# Altium PCB 2019.06.16.master.PcbDoc (part 4 of 5)
Units mm, origin at the board's own origin, x right, y up, seen from the top; angles counter-clockwise.
Board outline 160 x 120 mm, 6 copper layers (Top Signal, Top GND, Inner PWR, Inner Signal, Bottom GND, Bottom Signal), stack 1.571 mm thick; 340 components, 345 nets, 1524 pads, 692 vias.
Unrouted connection lines stored in the file: 216.
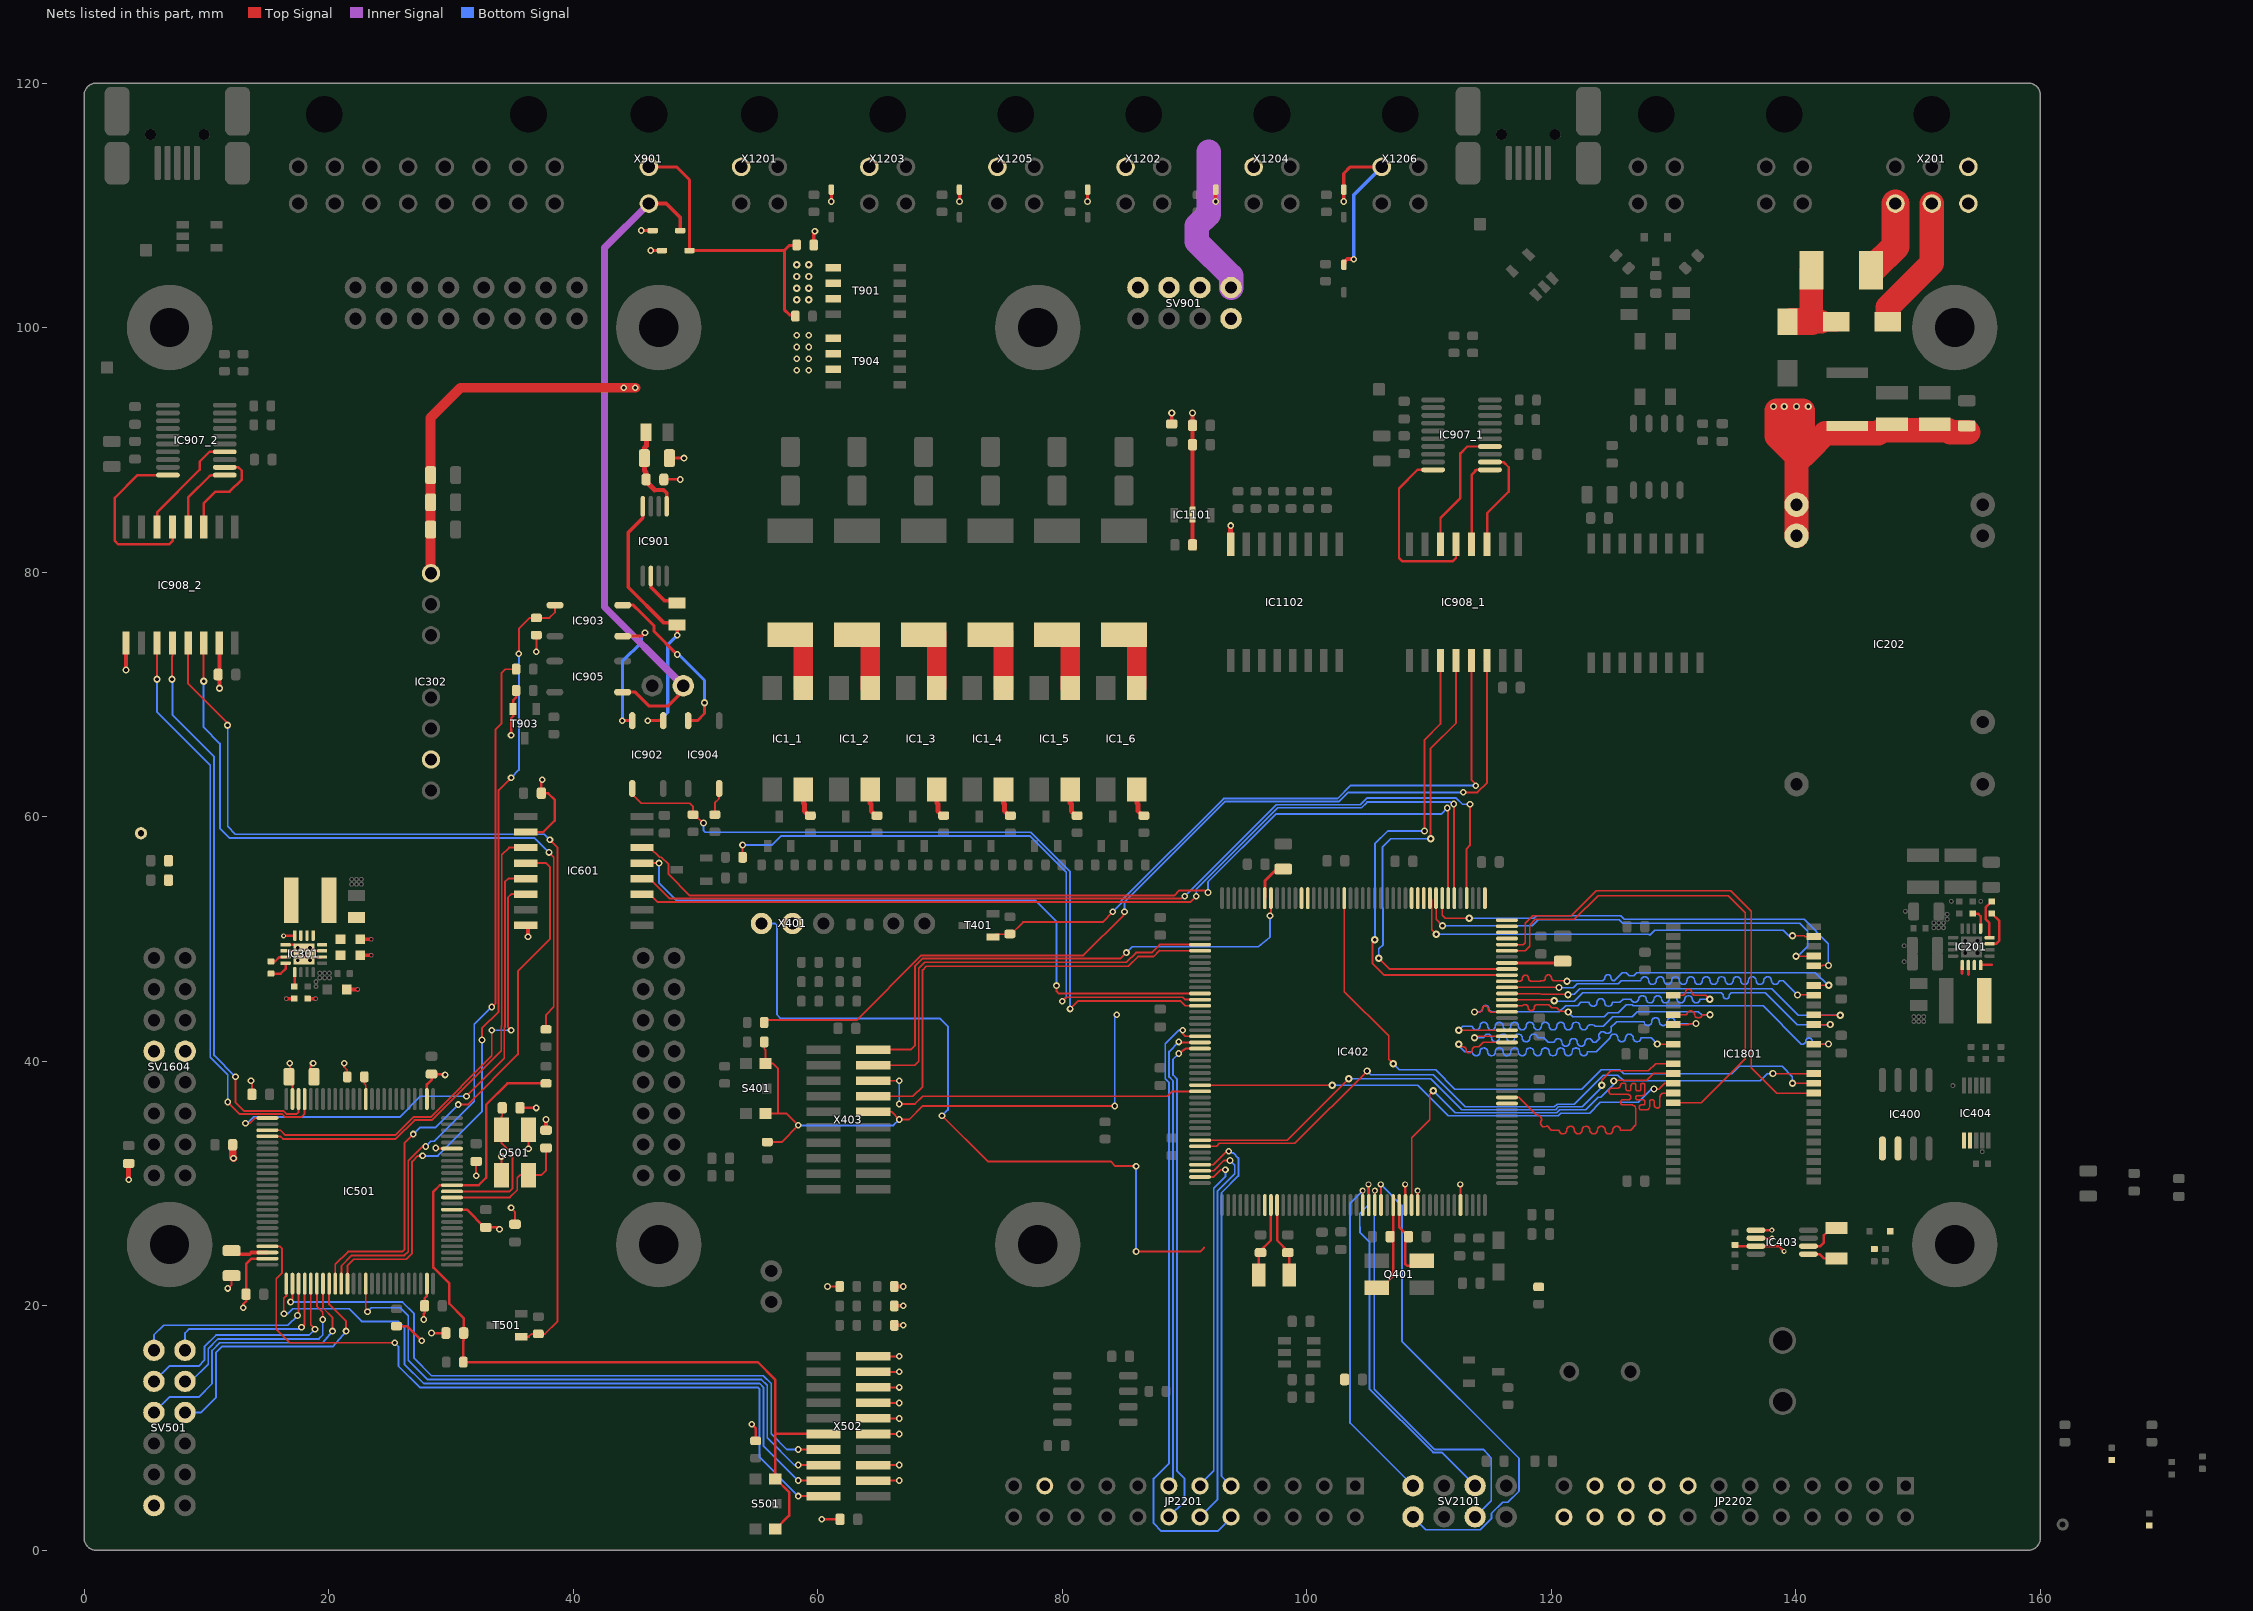
[diagram p8: the nets of this part, all layers, seen from the top]

## Via types
v1: diameter 0.6, hole 0.3, Top Signal to Bottom Signal, 370 vias
v2: diameter 0.55, hole 0.3, Top Signal to Bottom Signal, tented both sides, 291 vias
v3: diameter 0.4, hole 0.2, Top Signal to Bottom Signal, tented both sides, 17 vias
v4: diameter 0.5, hole 0.3, Top Signal to Bottom Signal, 12 vias
v5: diameter 0.7, hole 0.4, Top Signal to Bottom Signal, 2 vias

## Nets (pads, with @x,y where several pads share a name; then routed paths per layer and width w, separated by ;. In a path a pad name is that pad's centre, name@x,y a point inside that pad or via, vN(x,y) a via of type N, cw(c..) or ccw(c..) an arc to the next point about the centre after c; other vN are vias at no path point) (continued)
FMC_MCU_0_RAM_D4: IC402.68 IC1801.13 | length 30
  Top Signal w0.12: v1(112.432,41.396) 112.654,41.173 112.781,41.173 cw(c112.781,40.923) 113.031,40.923 ccw(c113.281,40.923) 113.531,40.923 cw(c113.781,40.923) 113.781,41.173 114.073,41.173 114.433,41.534 IC402.68@116.372,41.534 ; v1(128.676,41.402) 128.683,41.396 IC1801.13@129.966,41.396
  Bottom Signal w0.12: v1@112.432,41.25 112.915,40.767 113.543,40.767 ccw(c113.857,40.767) 114.171,40.767 cw(c114.485,40.767) 114.799,40.767 ccw(c115.113,40.767) 115.427,40.767 cw(c115.741,40.767) 116.055,40.767 ccw(c116.369,40.767) 116.683,40.767 cw(c116.997,40.767) 117.311,40.767 ccw(c117.625,40.767) 117.939,40.767 cw(c118.253,40.767) 118.567,40.767 ccw(c118.881,40.767) 119.195,40.767 cw(c119.509,40.767) 119.823,40.767 ccw(c120.137,40.767) 120.451,40.767 cw(c120.765,40.767) 121.079,40.767 ccw(c121.393,40.767) 121.707,40.767 cw(c122.021,40.767) 122.335,40.767 ccw(c122.649,40.767) 122.963,40.767 123.591,40.767 123.673,40.767 124.816,41.91 cw(c125.13,41.91) 125.444,41.91 ccw(c125.758,41.91) 126.072,41.91 cw(c126.386,41.91) 126.7,41.91 ccw(c127.014,41.91) 127.328,41.91 127.956,41.91 128.168,41.91 v1(128.676,41.402)
FMC_MCU_0_RAM_D5: IC402.69 IC1801.11 | length 30
  Top Signal w0.12: v1(113.716,41.91) 113.794,41.988 113.987,41.988 114.032,42.034 IC402.69@116.372,42.034 ; IC1801.11@129.966,42.996 131.21,42.996 131.293,43.078 v1(131.836,43.078)
  Bottom Signal w0.12: v1(113.716,41.91) 114.485,41.91 cw(c114.799,41.91) 115.113,41.91 ccw(c115.427,41.91) 115.741,41.91 cw(c116.055,41.91) 116.369,41.91 ccw(c116.683,41.91) 116.997,41.91 cw(c117.311,41.91) 117.625,41.91 ccw(c117.939,41.91) 118.253,41.91 cw(c118.567,41.91) 118.881,41.91 119.202,41.91 119.371,41.91 119.746,41.536 120.244,41.536 cw(c120.558,41.529) 120.872,41.536 ccw(c121.186,41.536) 121.5,41.536 cw(c121.814,41.536) 122.128,41.536 ccw(c122.442,41.536) 122.756,41.536 cw(c123.07,41.536) 123.384,41.536 123.636,41.536 123.677,41.576 123.977,41.877 cw(c124.199,42.099) 124.421,42.321 ccw(c124.586,42.6) 124.866,42.765 125.302,43.201 125.332,43.231 126.957,43.231 127.585,43.231 ccw(c127.899,43.231) 128.213,43.231 cw(c128.527,43.231) 128.841,43.231 ccw(c129.155,43.231) 129.469,43.231 cw(c129.783,43.231) 130.097,43.231 130.291,43.231 130.443,43.078 v1(131.836,43.078)
FMC_MCU_0_RAM_D6: IC402.70 IC1801.10 | length 34.3
  Top Signal w0.12: v1(112.432,42.53) IC402.70@116.372,42.53 ; IC1801.10@129.966,43.796 130.454,43.796 131.092,43.796 cw(c131.406,43.796) 131.72,43.796 ccw(c132.034,43.862) 132.348,43.796 v1(132.976,43.796)
  Bottom Signal w0.12: v1(112.432,42.53) 112.777,42.875 112.915,42.875 113.543,42.875 ccw(c113.857,42.875) 114.171,42.875 cw(c114.485,42.875) 114.799,42.875 ccw(c115.113,42.875) 115.427,42.875 cw(c115.741,42.875) 116.055,42.875 ccw(c116.369,42.875) 116.683,42.875 cw(c116.997,42.875) 117.311,42.875 ccw(c117.625,42.875) 117.939,42.875 cw(c118.253,42.875) 118.567,42.875 ccw(c118.881,42.875) 119.195,42.875 cw(c119.509,42.875) 119.823,42.875 ccw(c120.137,42.875) 120.451,42.875 cw(c120.765,42.875) 121.079,42.875 ccw(c121.393,42.875) 121.707,42.875 cw(c122.021,42.875) 122.335,42.875 ccw(c122.649,42.875) 122.963,42.875 cw(c123.277,42.527) 123.591,42.875 124.13,42.875 124.231,42.875 125.008,43.653 126.621,43.653 127.023,44.056 132.034,44.056 132.294,43.796 v1(132.976,43.796)
FMC_MCU_0_RAM_D7: IC402.73 IC1801.8 | length 31.1
  Top Signal w0.12: v1(113.716,44.018) 114.097,44.018 ccw(c114.097,44.268) 114.347,44.268 cw(c114.597,44.268) 114.847,44.268 ccw(c115.097,44.268) 115.097,44.018 116.357,44.018 IC402.73@116.372,44.034 ; IC1801.8@129.966,45.396 130.728,45.396 ccw(c130.728,45.646) 130.978,45.646 cw(c131.228,45.646) 131.478,45.646 ccw(c131.728,45.646) 131.728,45.396 132.633,45.396 v1(132.969,45.06)
  Bottom Signal w0.12: v1(113.716,44.018) 113.753,44.056 114.134,44.056 ccw(c114.134,44.306) 114.384,44.306 cw(c114.634,44.306) 114.884,44.306 ccw(c115.134,44.306) 115.134,44.056 120.667,44.056 121.165,44.553 122.169,44.553 122.422,44.806 122.479,44.806 123.107,44.806 ccw(c123.421,44.806) 123.735,44.806 cw(c124.049,44.806) 124.363,44.806 ccw(c124.677,44.806) 124.991,44.806 125.603,44.806 125.882,45.085 126.51,45.085 ccw(c126.824,45.136) 127.138,45.085 cw(c127.452,45.037) 127.766,45.085 ccw(c128.08,45.085) 128.394,45.085 cw(c128.708,45.037) 129.022,45.085 ccw(c129.336,45.085) 129.65,45.085 cw(c129.964,45.037) 130.278,45.085 ccw(c130.592,45.085) 130.906,45.085 cw(c131.22,45.037) 131.534,45.085 ccw(c131.848,45.085) 132.162,45.085 132.461,45.085 132.969,45.085 v1(132.969,45.06)
FMC_MCU_0_RAM_D8: IC402.74 IC1801.42 | length 30.8
  Top Signal w0.12: IC402.74@116.372,44.534 117.628,44.534 117.729,44.634 117.856,44.634 cw(c117.856,44.384) 118.106,44.384 ccw(c118.356,44.384) 118.606,44.384 cw(c118.856,44.384) 118.856,44.634 119.785,44.634 120.055,44.365 120.451,44.365 120.719,44.097 121.308,44.097 v1(121.387,44.018) ; IC1801.42@141.466,41.396 142.168,41.396 142.174,41.402 v1(142.672,41.402)
  Bottom Signal w0.12: v1(121.387,44.018) 121.768,43.637 124.333,43.637 124.663,43.967 125.493,43.967 126.15,44.625 126.601,44.625 126.701,44.525 137.327,44.525 140.449,41.402 140.576,41.402 ccw(c140.576,41.652) 140.826,41.652 cw(c141.076,41.652) 141.326,41.652 ccw(c141.576,41.652) 141.576,41.402 v1(142.672,41.402)
FMC_MCU_0_RAM_D9: IC402.75 IC1801.44 | length 29.9
  Top Signal w0.12: IC402.75@116.372,45.034 120.142,45.034 v1(120.244,44.933) ; IC1801.44@141.343,42.996 IC1801.44@141.466,42.996 v1(142.803,42.996)
  Bottom Signal w0.12: v1(120.244,44.933) 120.271,44.906 121.893,44.906 122.582,45.595 133.807,45.595 cw(c133.807,45.345) 134.057,45.345 ccw(c134.307,45.345) 134.557,45.345 cw(c134.807,45.345) 134.807,45.595 137.514,45.595 140.113,42.996 v1(142.803,42.996)
FMC_MCU_0_RAM_D10: IC402.76 IC1801.45 | length 30.5
  Top Signal w0.12: IC402.76@116.372,45.534 119.102,45.534 119.168,45.468 121.258,45.468 v1@121.296,45.506 ; IC1801.45@141.466,43.796 141.498,43.764 v1(143.642,43.764)
  Bottom Signal w0.12: v1(121.361,45.441) 121.412,45.491 121.894,45.491 122.328,45.925 138.022,45.925 140.183,43.764 v1(143.642,43.764)
FMC_MCU_0_RAM_D11: IC402.77 IC1801.47 | length 32.3
  Top Signal w0.12: IC402.77@116.372,46.034 120.616,46.034 v1(120.625,46.025) ; v1(140.132,45.415) IC1801.47@141.466,45.415
  Bottom Signal w0.12: v1(120.625,46.025) 120.652,45.998 121.791,45.998 122.123,46.33 125.476,46.33 125.731,46.585 127.329,46.585 cw(c127.643,46.585) 127.957,46.585 ccw(c128.271,46.585) 128.585,46.585 cw(c128.899,46.585) 129.213,46.585 ccw(c129.527,46.585) 129.841,46.585 cw(c130.155,46.585) 130.469,46.585 ccw(c130.783,46.585) 131.097,46.585 cw(c131.411,46.585) 131.725,46.585 ccw(c132.039,46.585) 132.353,46.585 cw(c132.667,46.585) 132.981,46.585 ccw(c133.295,46.585) 133.609,46.585 cw(c133.923,46.585) 134.237,46.585 ccw(c134.551,46.585) 134.865,46.585 cw(c135.179,46.585) 135.493,46.585 ccw(c135.807,46.585) 136.121,46.585 cw(c136.435,46.585) 136.749,46.585 ccw(c137.063,46.585) 137.377,46.585 cw(c137.691,46.585) 138.005,46.585 ccw(c138.319,46.585) 138.633,46.585 138.962,46.585 v1(140.132,45.415)
FMC_MCU_0_RAM_D12: IC402.78 IC1801.48 | length 30.2
  Top Signal w0.12: IC402.78@116.372,46.534 117.388,46.534 ccw(c117.388,46.784) 117.638,46.784 cw(c117.888,46.784) 118.138,46.784 ccw(c118.388,46.784) 118.388,46.534 119.111,46.534 119.137,46.56 119.264,46.56 ccw(c119.264,46.81) 119.514,46.81 cw(c119.764,46.81) 120.014,46.81 ccw(c120.264,46.81) 120.264,46.56 121.258,46.56 v1(121.285,46.533) ; IC1801.48@141.466,46.196 142.69,46.196 v1(142.697,46.203)
  Bottom Signal w0.12: v1(121.285,46.533) 121.337,46.585 124.131,46.585 ccw(c124.131,46.835) 124.381,46.835 cw(c124.631,46.835) 124.881,46.835 ccw(c125.131,46.835) 125.131,46.585 125.79,47.244 126.111,47.244 126.358,46.997 126.741,46.997 126.988,47.244 141.592,47.244 142.634,46.203 v1(142.697,46.203)
FMC_MCU_0_RAM_D13: IC402.96 IC1801.50 | length 37.1
  Top Signal w0.12: IC402.96@111.073,53.334 111.073,51.943 111.337,51.679 v1(113.282,51.679) ; IC1801.50@141.466,47.796 142.168,47.796 142.201,47.828 v1(142.672,47.828)
  Bottom Signal w0.12: v1(113.282,51.679) 118.573,51.679 118.793,51.899 125.682,51.899 125.984,51.597 140.681,51.597 142.665,49.613 142.665,47.835 v1(142.672,47.828)
FMC_MCU_0_RAM_D14: IC402.97 IC1801.51 | length 36.9
  Top Signal w0.12: IC402.97@110.572,53.334 110.572,51.597 111.092,51.078 v1(111.103,51.078) ; v1(140.017,48.596) IC1801.51@141.466,48.596
  Bottom Signal w0.12: v1(111.103,51.078) 118.439,51.078 118.93,51.569 125.545,51.569 125.847,51.267 140.325,51.267 140.97,50.622 140.97,49.403 140.163,48.596 v1(140.017,48.596)
FMC_MCU_0_RAM_D15: IC402.98 IC1801.53 | length 34.5
  Top Signal w0.12: IC402.98@110.073,53.334 110.207,53.199 110.207,50.75 v1(110.589,50.368) ; v1(139.725,50.267) 140.694,50.267 140.765,50.196 IC1801.53@141.466,50.196
  Bottom Signal w0.12: v1(110.589,50.368) 127.979,50.368 128.038,50.309 128.455,50.725 138.962,50.725 139.421,50.267 v1(139.725,50.267)
FMC_MCU_0_RAM_NBL0: IC402.169 IC1801.15 | length 44
  Top Signal w0.12: IC402.169@91.273,33.534 98.389,33.534 v1(103.429,38.573) ; v1(124.13,38.036) 124.13,38.459 124.872,39.201 127.945,39.201 128.539,39.796 IC1801.15@129.966,39.796
  Bottom Signal w0.12: v1(103.429,38.573) 110.132,38.573 112.677,36.029 120.357,36.029 120.586,36.257 122.525,36.257 124.304,38.036 v1(124.13,38.036)
FMC_MCU_0_RAM_NBL1: IC402.170 IC1801.39 | length 55.5
  Top Signal w0.12: IC402.170@91.273,33.034 92.622,33.034 92.862,33.274 99.023,33.274 v1@104.902,39.153 ; v1(138.125,38.989) 141.46,38.989 IC1801.39@141.466,38.996
  Bottom Signal w0.12: v1(104.933,39.201) 105.247,38.887 110.338,38.887 112.957,36.269 120.258,36.269 120.486,36.497 121.874,36.497 124.243,38.866 125.448,38.866 125.935,38.379 137.077,38.379 137.693,38.996 137.7,38.989 v1(138.125,38.989)
FMC_MCU_0_RAM_SDCKE1: IC402.84 IC1801.37 | length 42.2
  Top Signal w0.12: IC402.84@116.372,49.534 117.704,49.534 117.857,49.686 117.857,51.267 118.486,51.896 121.645,51.896 123.673,53.924 134.696,53.924 136.373,52.248 136.373,39.472 138.449,37.396 IC1801.37@141.466,37.396
FMC_MCU_0_RAM_SDCLK: IC402.112 IC1801.38 | length 52.4
  Top Signal w0.12: IC402.112@103.072,53.334 103.072,45.693 106.695,42.071 106.695,40.173 v1(107.072,39.796) ; v1(139.725,38.202) 139.731,38.196 IC1801.38@141.466,38.196
  Bottom Signal w0.12: v1(107.072,39.796) 107.577,39.292 110.544,39.292 112.117,37.719 122.487,37.719 124.087,39.319 125.603,39.319 125.933,38.989 134.772,38.989 135.357,39.573 138.887,39.573 139.725,38.735 v1(139.725,38.202)
FMC_MCU_0_RAM_SDNCAS: IC402.160 IC1801.17 | length 40.8
  Top Signal w0.12: IC402.160@91.273,38.034 102.072,38.034 v1(102.072,38.036) ; v1(128.394,37.719) 128.788,37.719 129.265,38.196 IC1801.17@129.966,38.196
  Bottom Signal w0.12: v1@102.072,38.035 109.066,38.035 111.556,35.545 120.552,35.545 120.766,35.759 123.135,35.759 124.021,36.645 127.12,36.645 128.194,37.719 v1(128.394,37.719)
FMC_MCU_0_RAM_SDNE1: IC402.83 IC1801.19 | length 42.3
  Top Signal w0.12: IC402.83@116.372,49.034 117.857,49.034 118.218,49.396 118.218,51.127 118.688,51.597 121.895,51.597 123.832,53.534 134.477,53.534 135.865,52.146 135.865,40.183 132.277,36.596 IC1801.19@129.966,36.596
FMC_MCU_0_RAM_SDNRAS: IC402.59 IC1801.18 | length 34.9
  Top Signal w0.12: IC402.59@116.372,37.034 117.34,37.034 118.763,35.61 cw(c118.789,35.192) 119.207,35.166 ccw(c119.429,34.944) 119.652,34.722 120.007,34.366 120.635,34.366 ccw(c120.949,34.366) 121.263,34.366 cw(c121.577,34.366) 121.891,34.366 ccw(c122.205,34.366) 122.519,34.366 cw(c122.833,34.366) 123.147,34.366 ccw(c123.461,34.366) 123.775,34.366 cw(c124.089,34.366) 124.403,34.366 ccw(c124.717,34.366) 125.031,34.366 cw(c125.345,34.366) 125.659,34.366 126.287,34.366 126.492,34.366 126.92,34.794 126.92,35.843 126.92,36.053 ccw(c126.549,36.053) 126.549,36.424 125.848,36.424 cw(c125.848,36.612) 125.659,36.612 125.659,36.662 cw(c125.832,36.662) 125.832,36.834 126.287,36.834 ccw(c126.287,37.038) 126.492,37.038 126.492,37.056 ccw(c126.27,37.056) 126.27,37.278 124.943,37.278 cw(c124.943,37.503) 124.717,37.503 124.717,37.57 cw(c124.943,37.57) 124.943,37.795 125.421,37.795 ccw(c125.421,38.034) 125.659,38.034 cw(c125.827,38.034) 125.827,38.202 125.933,38.202 cw(c125.933,38.034) 126.101,38.034 126.101,37.752 ccw(c126.287,37.752) 126.287,37.566 126.364,37.566 ccw(c126.364,37.719) 126.517,37.719 126.517,37.998 cw(c126.695,37.998) 126.695,38.176 126.777,38.176 cw(c126.777,38.034) 126.92,38.034 126.92,37.709 ccw(c127.063,37.709) 127.063,37.566 127.202,37.566 ccw(c127.202,37.668) 127.305,37.668 127.305,38.036 cw(c127.445,38.036) 127.445,38.176 127.518,38.176 cw(c127.518,38.034) 127.66,38.034 127.66,37.389 cw(c127.457,37.389) 127.457,37.186 127.049,37.186 ccw(c127.049,37.056) 126.92,37.056 126.92,36.978 ccw(c127.063,36.978) 127.063,36.834 127.506,36.834 cw(c127.506,36.679) 127.66,36.679 127.66,36.536 cw(c127.548,36.536) 127.548,36.424 127.356,36.424 ccw(c127.356,36.271) 127.203,36.271 127.203,36.151 ccw(c127.337,36.151) 127.337,36.017 127.762,36.017 ccw(c127.762,36.297) 128.041,36.297 128.041,36.679 cw(c128.196,36.679) 128.196,36.834 128.266,36.834 cw(c128.266,36.678) 128.422,36.678 128.422,36.422 ccw(c128.676,36.422) 128.676,36.168 ccw(c128.676,36.371) 128.88,36.371 128.88,37.043 cw(c129.232,37.043) 129.232,37.396 IC1801.18@129.966,37.396
FMC_MCU_0_RAM_SDNWE: IC402.32 IC1801.16 | length 31.9
  Top Signal w0.12: IC402.32@108.573,28.234 108.573,33.727 110.073,35.228 110.073,37.293 v1(110.349,37.57) ; v1(125.103,38.379) 125.165,38.442 127.811,38.442 128.365,38.996 IC1801.16@129.966,38.996
  Bottom Signal w0.12: v1@110.349,37.567 112.127,35.789 120.456,35.789 120.685,36.017 122.81,36.017 123.838,37.045 124.045,37.045 125.103,38.102 v1(125.103,38.379)
FQ_3.3_0: IC201.3
FQ_3.3_1: IC301.3
FTDI_MCU_0_DTR: IC908_1.13 R402.1 T401.1 | length 55.2
  Top Signal w0.152: T401.1@74.334,50.153 74.558,50.376 75.698,50.376 R402.1@75.724,50.402 75.824,50.402 76.798,51.376 83.3,51.376 v2(84.138,52.214) ; IC908_1.13@113.7,72.769 113.476,72.545 113.476,62.987 113.824,62.64 v2(113.824,62.533)
  Bottom Signal w0.152: v2(84.138,52.214) 84.838,52.914 84.838,53.116 93.204,61.482 102.514,61.482 103.565,62.533 v2(113.824,62.533)
FTDI_MCU_0_RTS: IC908_1.14 R403.2 | length 77.8
  Top Signal w0.152: R403.2@55.777,43.165 55.777,43.247 55.894,43.364 63.183,43.364 68.475,48.656 81.732,48.656 85.014,51.938 85.014,52.138 v2(85.09,52.214) ; v2(112.793,61.985) 113.953,61.985 114.746,62.779 114.746,72.545 IC908_1.14@114.523,72.769
  Bottom Signal w0.152: v2(85.09,52.214) 85.09,53.012 93.308,61.23 102.619,61.23 103.375,61.985 v2(112.793,61.985)
FTDI_MCU_0_RX: IC402.80 IC908_1.12 | length 39.8
  Top Signal w0.152: v1(105.893,48.412) 106.771,47.534 IC402.80@116.372,47.534 ; v1(110.132,58.191) 110.132,65.581 112.206,67.655 IC908_1.12@112.206,72.769
  Bottom Signal w0.152: v1(105.893,48.412) 105.893,49.188 106.239,49.534 106.239,52.503 106.189,52.553 106.189,57.511 106.869,58.191 v1(110.132,58.191)
FTDI_MCU_0_TX: IC402.79 IC908_1.11 | length 40.2
  Top Signal w0.152: v1(105.573,49.94) 105.371,49.739 105.371,48.006 106.343,47.034 IC402.79@116.372,47.034 ; v1(109.624,58.826) 109.624,66.266 110.936,67.579 IC908_1.11@110.936,72.769
  Bottom Signal w0.152: v1(105.573,49.94) 105.573,57.769 106.63,58.826 v1@109.576,58.826
FTDI_MCU_1_DTR: IC908_2.13 R504.1 T501.1 | length 86.3
  Top Signal w0.152: IC908_2.13@8.509,74.193 8.509,70.866 11.735,67.64 v1(11.735,67.488) ; T501.1@35.758,17.45 36.384,17.45 36.384,17.488 36.596,17.7 R504.1@37.148,17.7 37.699,17.7 38.735,18.736 38.735,57.472 v2(38.1,58.107)
  Bottom Signal w0.152: v1@11.747,67.488 11.747,59.199 12.383,58.564 37.643,58.564 v2(38.1,58.107)
FTDI_MCU_1_RTS: IC908_2.14 R501.2 | length 58.2
  Top Signal w0.152: v1(9.779,71.069) IC908_2.14@9.779,74.193 ; R501.2@37.782,42.745 37.782,43.8 38.417,44.435 38.417,56.678 v2(38.021,57.075)
  Bottom Signal w0.152: v1(9.779,71.069) 9.779,67.31 11.112,65.977 11.112,59.04 11.906,58.246 36.851,58.246 37.338,57.76 ; 37.306,57.789 v2(38.021,57.075)
FTDI_MCU_1_RX: IC501.48 IC908_2.12 | length 46.6
  Top Signal w0.152: v1(7.188,71.247) 7.188,73.091 7.239,73.142 IC908_2.12@7.239,74.193 ; v2(12.383,38.72) 12.383,36.656 13.115,35.923 13.989,35.923 14.001,35.936 16.297,35.936 16.546,35.687 17.399,35.687 17.543,35.831 IC501.48@17.543,36.904 IC501.48@17.543,37.104
  Bottom Signal w0.152: v1@7.239,71.222 7.239,68.301 10.636,64.903 10.636,40.466 v2(12.383,38.72)
FTDI_MCU_1_TX: IC501.47 IC908_2.11 | length 48.2
  Top Signal w0.152: v1(5.969,71.247) IC908_2.11@5.969,74.193 ; v2(11.747,36.656) 12.734,35.669 14.094,35.669 14.107,35.682 16.192,35.682 16.44,35.433 17.78,35.433 18.042,35.695 IC501.47@18.042,37.104
  Bottom Signal w0.152: v1@5.969,71.196 5.969,68.544 10.319,64.194 10.319,40.308 11.747,38.879 v2(11.747,36.656)
GND_1: C305.2 C306.2 C307.2 C308.2 C310.2 C311.2 C313.2 C501.1 C502.2 C503.2 C504.2 C505.2 C506.2 C507.2 C508.2 C509.2 C510.2 C511.2 C512.2 C513.2 C602.2 C907_2.2 C1603.2 C1604.2 IC301.5 IC301.6 IC301.14 IC301.15 IC301.PAD IC302.7 IC501.10 IC501.20 IC501.27 IC501.74 IC501.99 IC601.2 IC601.8 IC908_2.9 IC908_2.15 Q501.2 Q501.4 R301.2 R502.1 R506.1 R507.1 R508.1 R509.1 R904.1 R911.2 SV501.2 SV1604.9 SV1604.10 T903.S TP_GND_301.1 X502.3 X502.5 X502.9 X502.11 X502.13 X502.15 X502.17 X502.19 | length 85.7
  Top Signal w0.152: v2(11.747,21.416) 12.065,21.734 C511.2@12.065,22.63 ; v2(13.652,38.403) 13.721,38.334 C503.2@13.721,37.291 ; C512.2@18.505,38.72 18.505,39.604 v2(18.732,39.831) ; v2@21.375,39.729 v2(21.273,39.831) 21.273,39.524 21.525,39.272 R507.1@21.525,38.72 ; v2(28.77,32.897) 28.812,32.854 IC501.20@30.293,32.854 ; v2(32.067,30.624) 32.067,31.679 C502.2@32.124,31.735 ; v2(34.131,32.211) 34.142,32.2 Q501.4@34.142,30.679 ; v2(34.925,28.004) 35.242,27.687 C510.2@35.242,26.791 ; Q501.2@36.343,34.379 36.343,32.857 v2(36.354,32.846) ; v2(36.989,73.486) R904.1@36.989,74.7 ; X502.3@64.535,5.7 v2(66.675,5.7) ; X502.5@64.535,6.97 v2(66.675,6.97) ; X502.9@64.535,9.51 v2(66.675,9.51) ; X502.11@64.535,10.78 v2(66.675,10.78) ; X502.13@64.535,12.05 v2(66.675,12.05) ; X502.15@64.535,13.32 v2(66.675,13.32) ; X502.17@64.535,14.59 v2(66.675,14.59) ; X502.19@64.535,15.86 v2(66.675,15.86)
  Top Signal w0.2: IC301.5@16.193,49.518 IC301.5@16.508,49.518 IC301.PAD@17.203,49.518 ; IC301.6@16.508,49.018 IC301.PAD@17.733,49.018 ; IC301.PAD@18.233,49.018 IC301.15@19.458,49.018 ; IC301.PAD@18.733,48.518 IC301.14@19.458,48.518
  Top Signal w0.203: v2(13.018,19.829) 13.018,20.136 13.245,20.363 C507.2@13.245,20.94 13.245,23.405 13.694,23.854 IC501.74@14.993,23.854 ; R502.1@25.559,18.335 26.418,18.335 v2(27.622,17.13) ; v2(27.781,18.876) 27.781,19.342 27.85,19.411 C508.2@27.85,19.988 27.85,20.61 28.043,20.802 IC501.99@28.043,21.804 ; IC501.27@28.043,36.904 28.043,38.097 28.416,38.471 C506.2@28.416,38.947 29.459,38.947 v2(29.527,38.879) ; v2(28.416,17.765) C509.2@29.471,17.765 ; IC501.10@30.092,27.854 31.314,27.854 32.761,26.406 C504.2@32.861,26.406 33.824,26.406 v2(33.972,26.258) ; v2(34.925,66.66) 34.925,68.05 35.086,68.211 T903.S@35.086,68.813 35.086,69.51 35.336,69.76 R911.2@35.336,70.311 ; C505.2@35.775,36.18 v2(36.989,36.18) ; IC601.2@36.303,58.742 37.555,58.742 38.481,59.668 38.481,61.392 37.956,61.917 C602.2@37.396,61.917 37.396,62.959 v2(37.465,63.028) ; v2(54.61,10.304) 54.927,9.986 R506.1@54.927,8.94 ; v2(60.325,2.525) C513.2@61.698,2.525